# Altium PCB MB1397.PcbDoc (part 1 of 11)
Units mm, origin at the board's own origin, x right, y up, seen from the top; angles counter-clockwise.
Board outline 118.24 x 172.86 mm, 6 copper layers (Top Layer, L2_GND, L3_VCC, L4_SIG, L5_GND, Bottom Layer), stack 1.631 mm thick; 819 components, 632 nets, 2875 pads, 1523 vias.
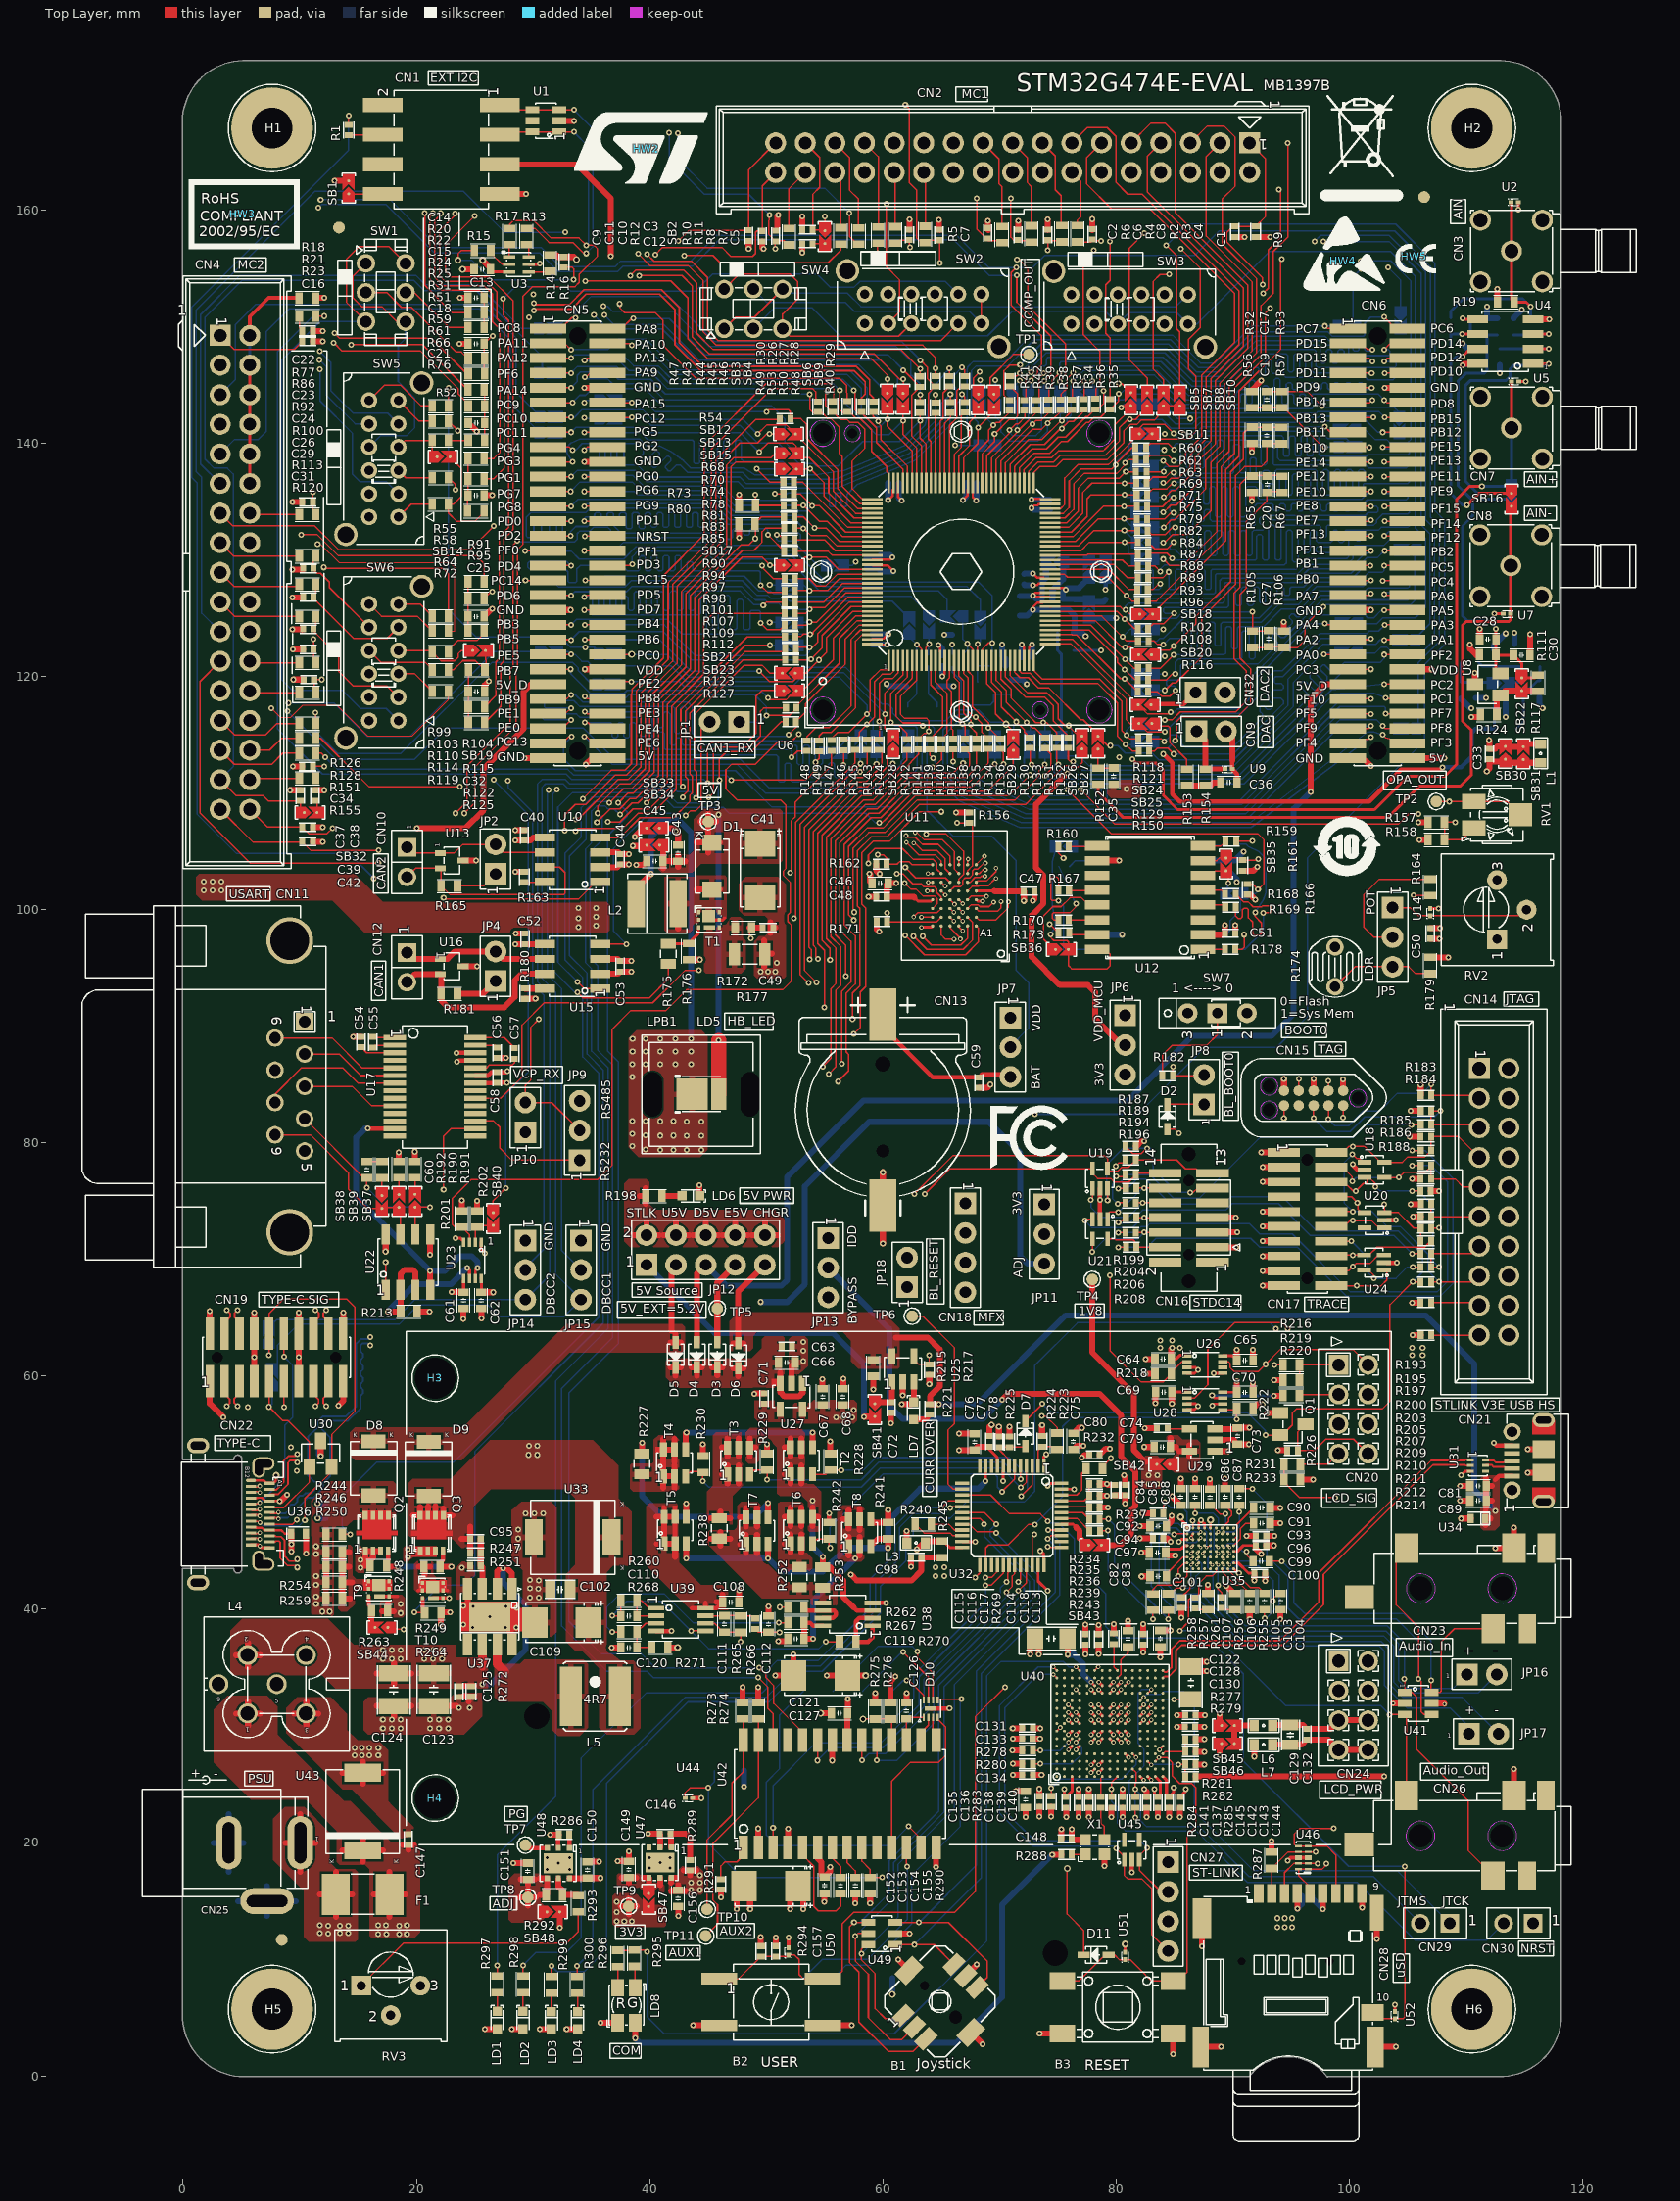
[diagram p0: Top Layer view]
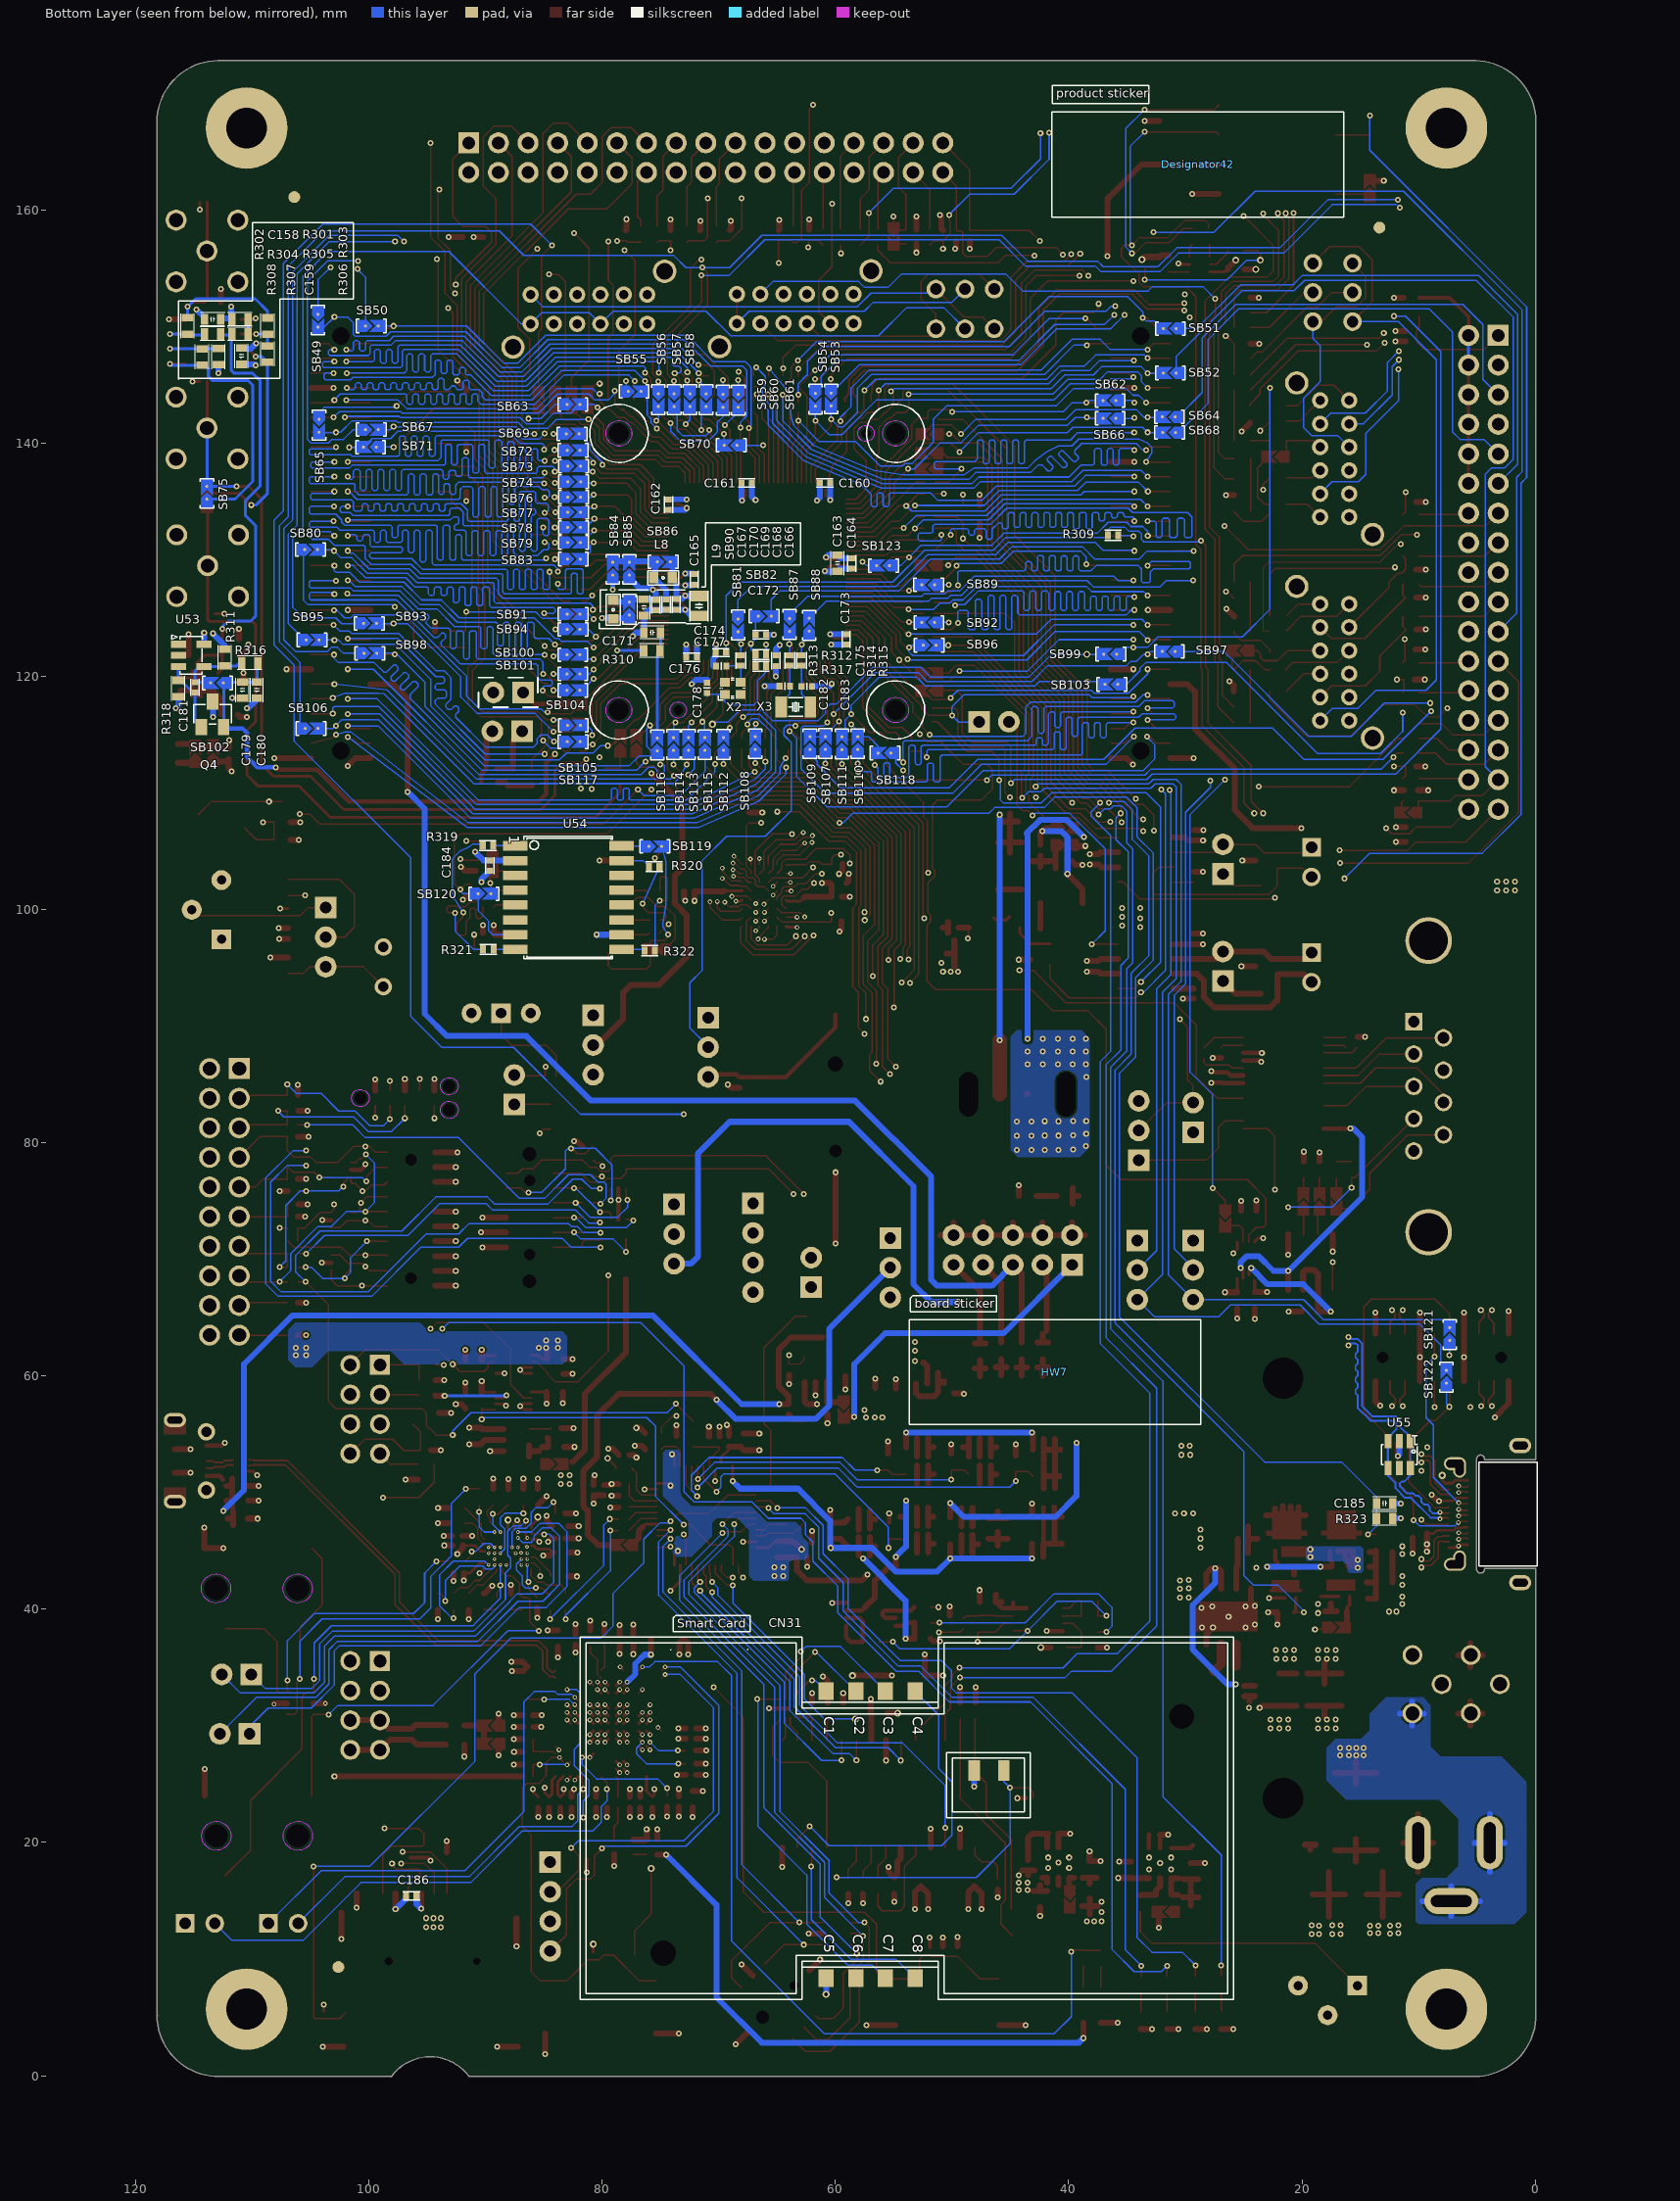
[diagram p1: Bottom Layer view, seen from below]
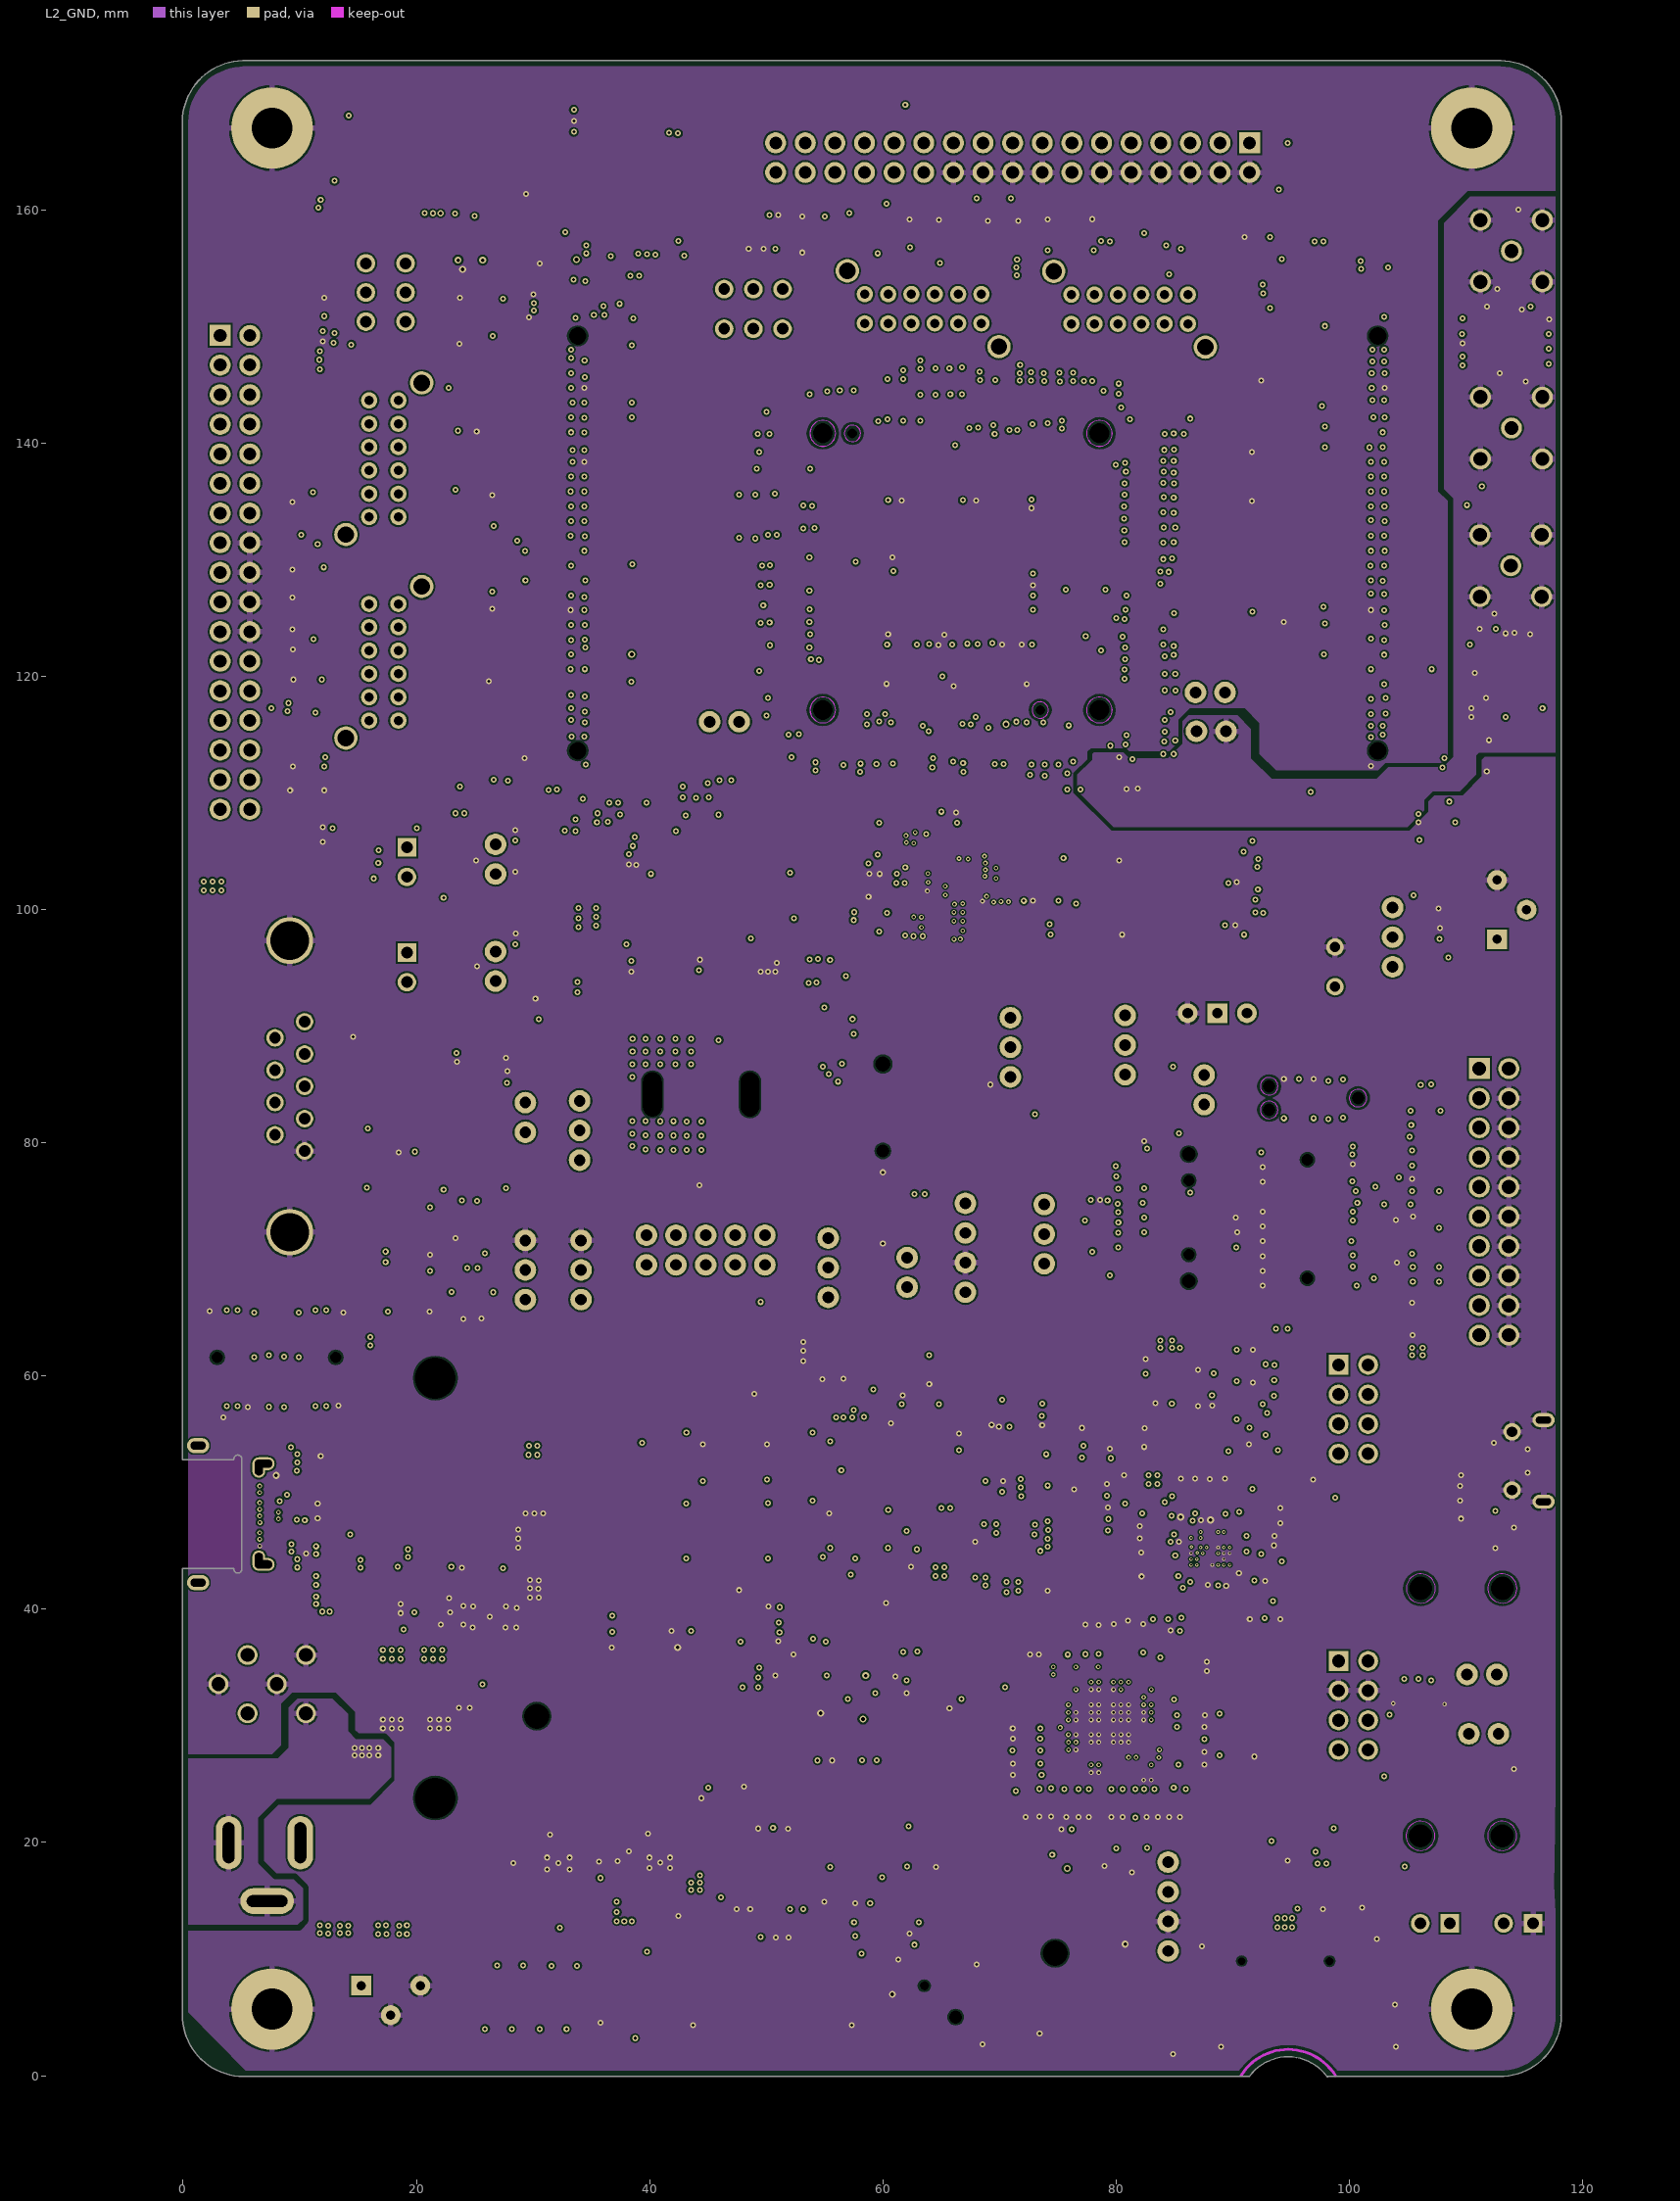
[diagram p2: L2_GND]
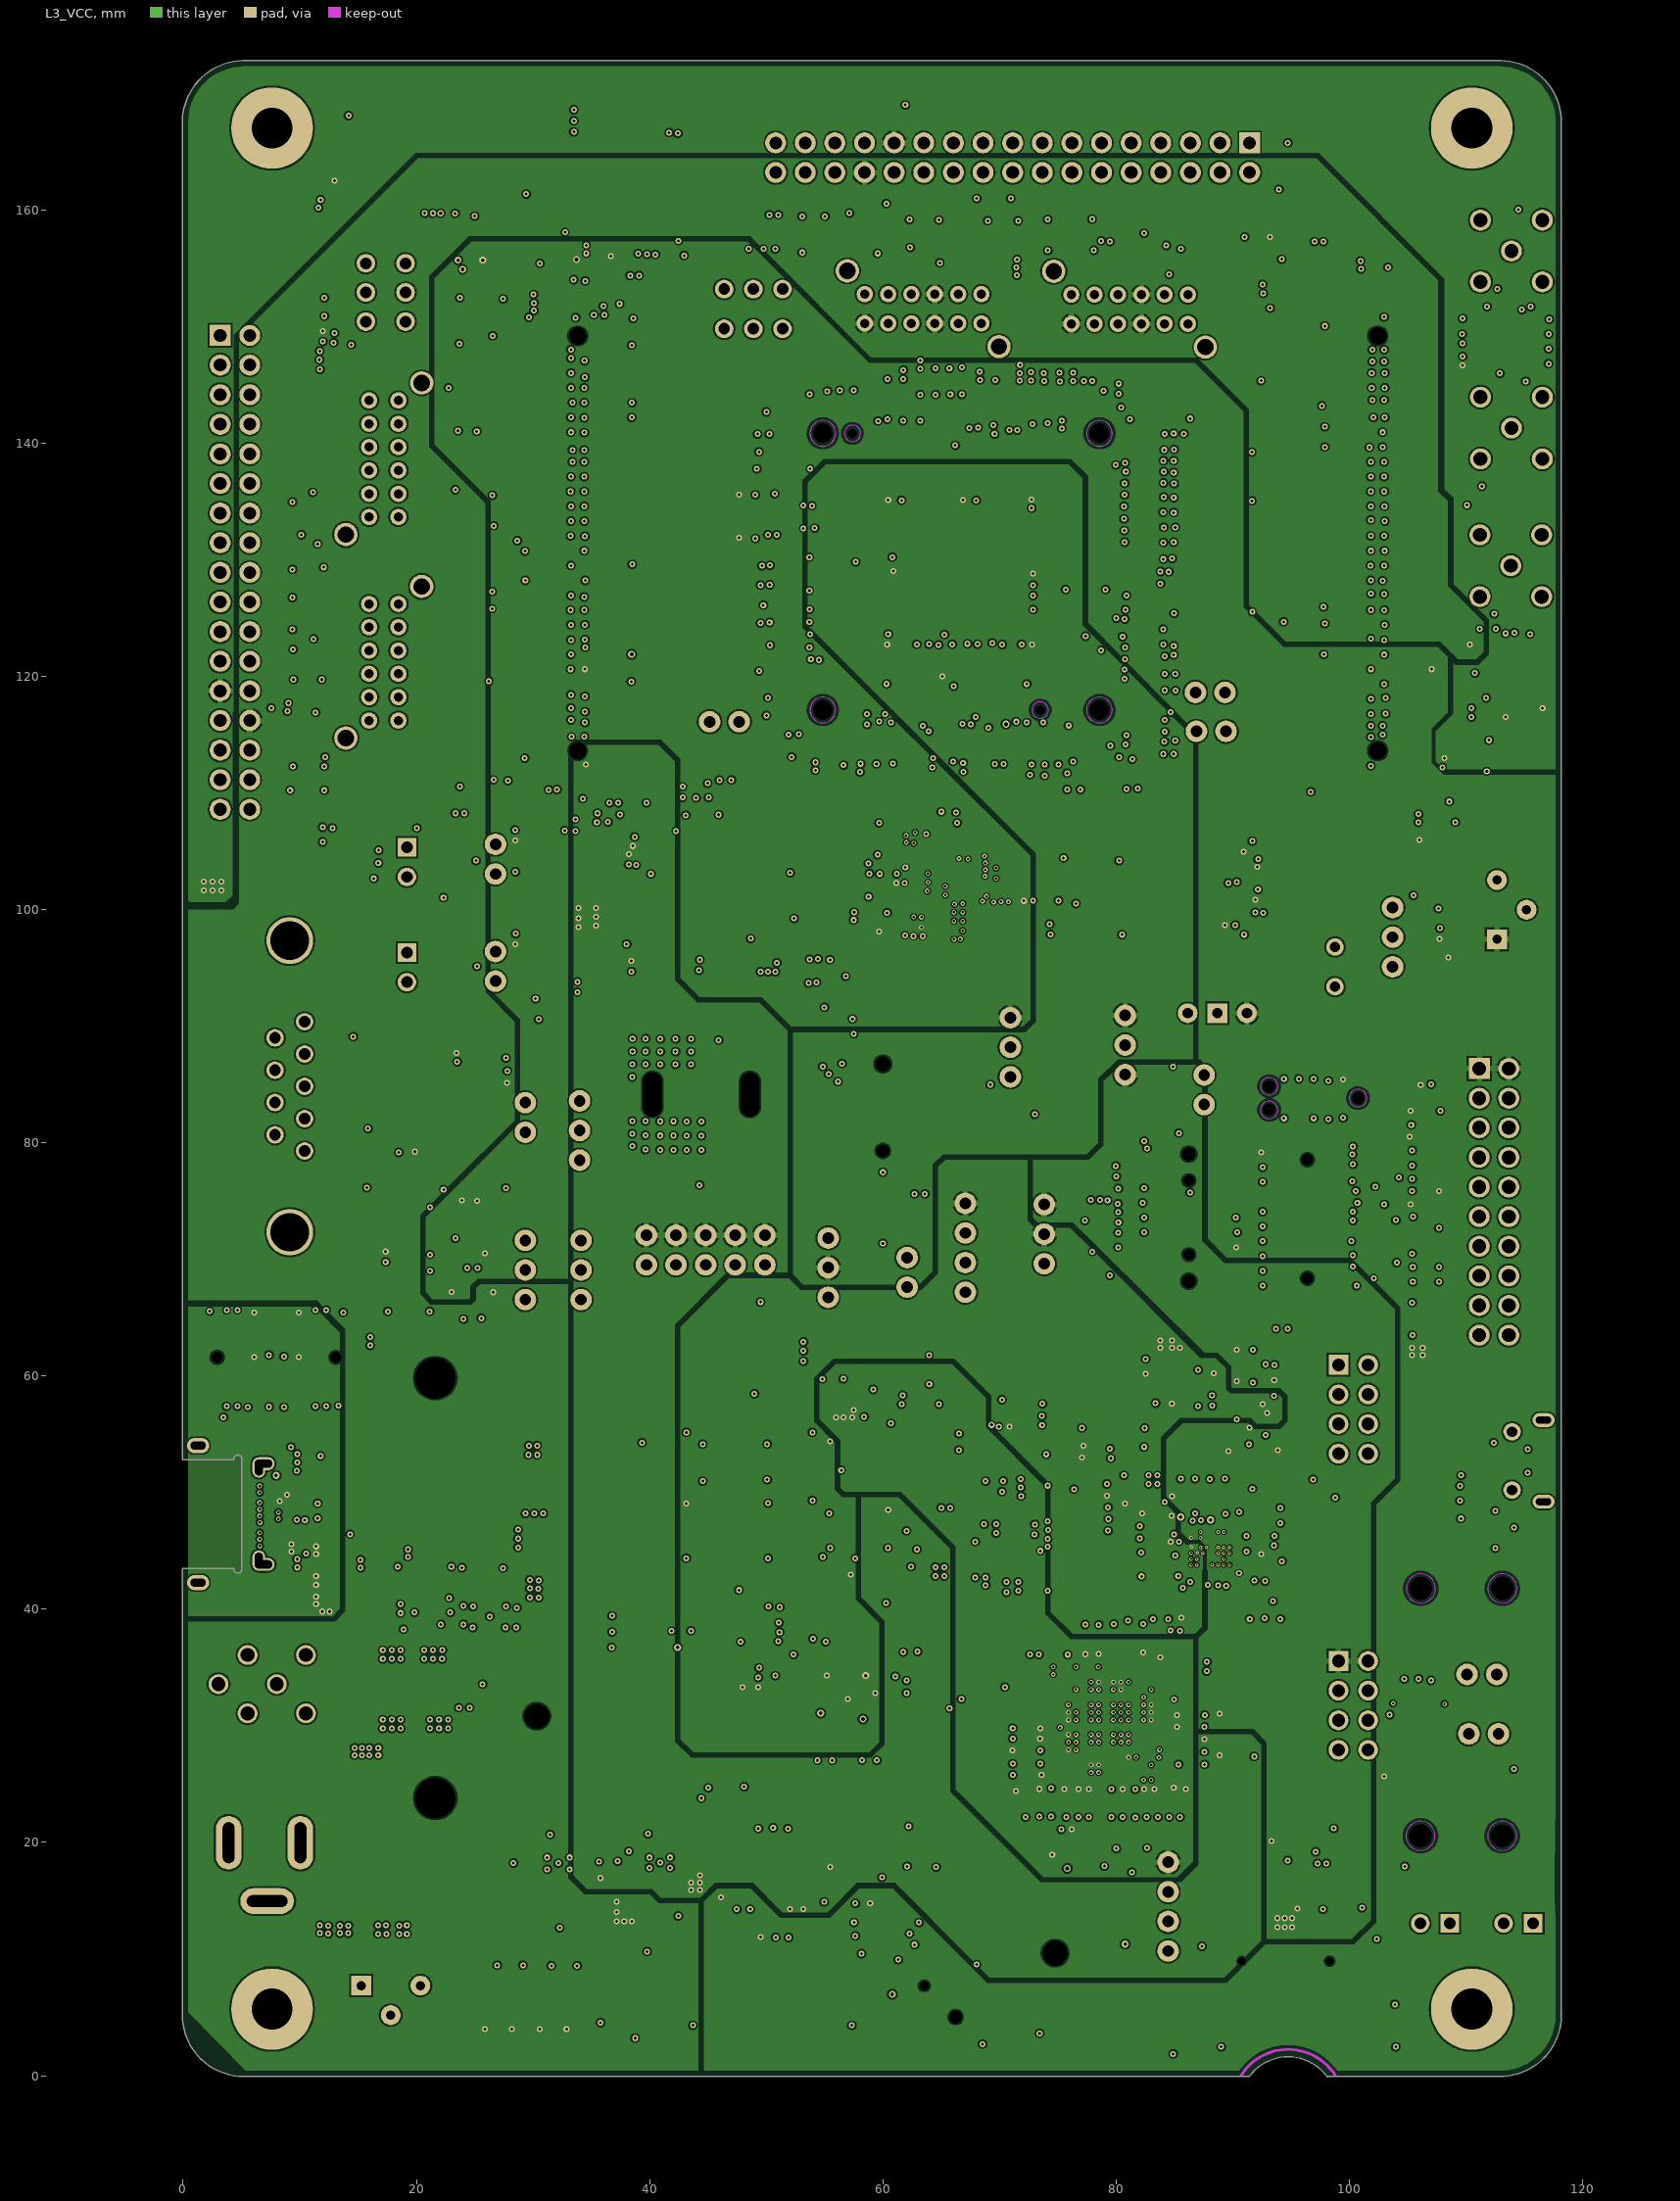
[diagram p3: L3_VCC]